# Altium PCB PCB2.PcbDoc (part 1 of 2)
Units mm, origin at the board's own origin, x right, y up, seen from the top; angles counter-clockwise.
Board outline 42.3 x 42.3 mm, 2 copper layers (Top Layer, Bottom Layer); 115 components, 83 nets, 434 pads, 142 vias.
Unrouted connection lines stored in the file: 85.
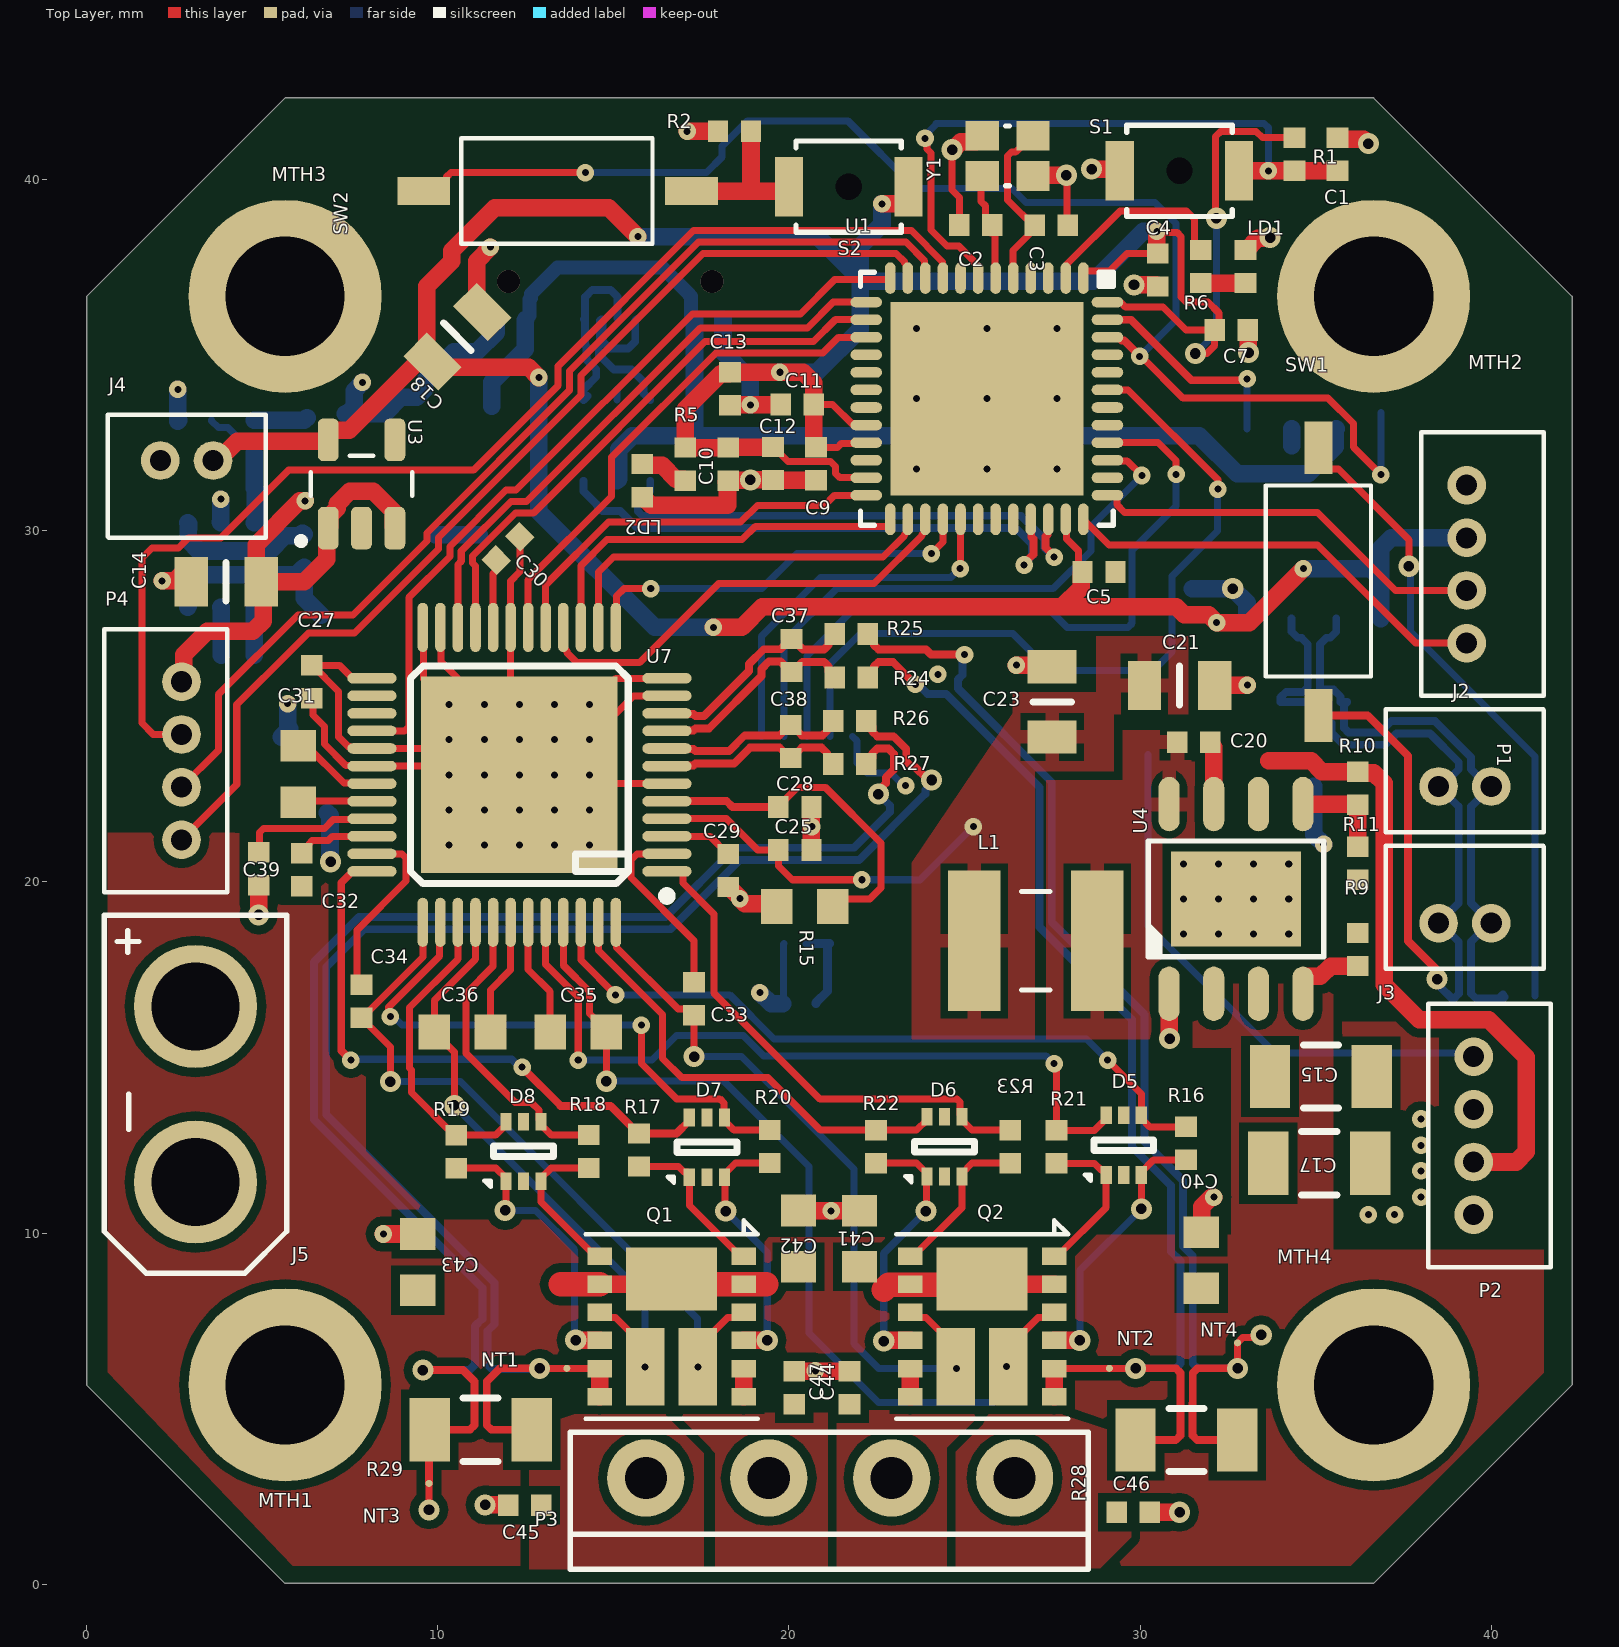
[diagram p0: Top Layer view]
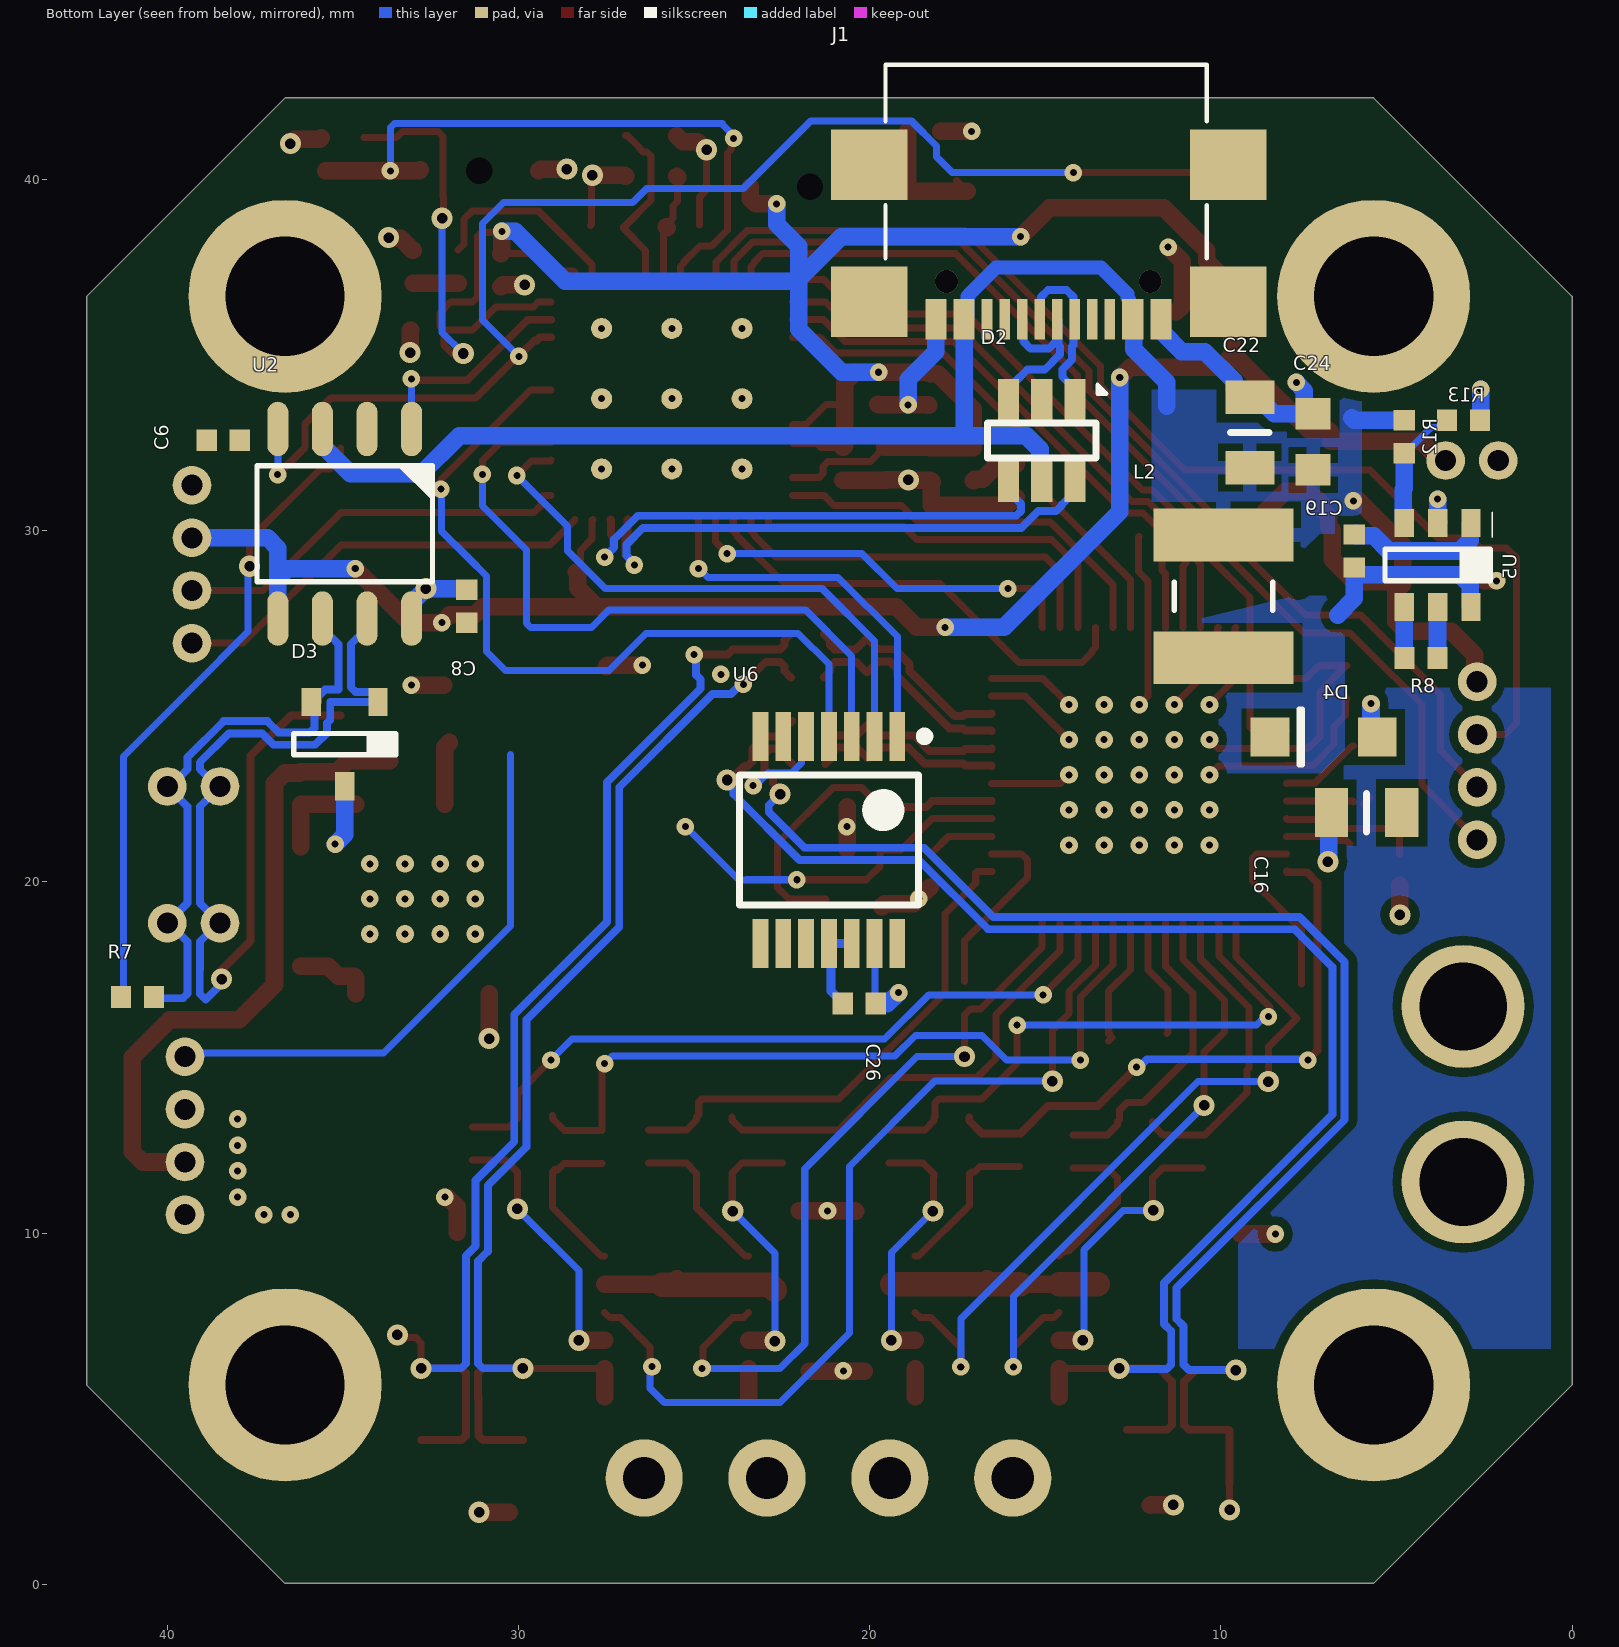
[diagram p1: Bottom Layer view, seen from below]
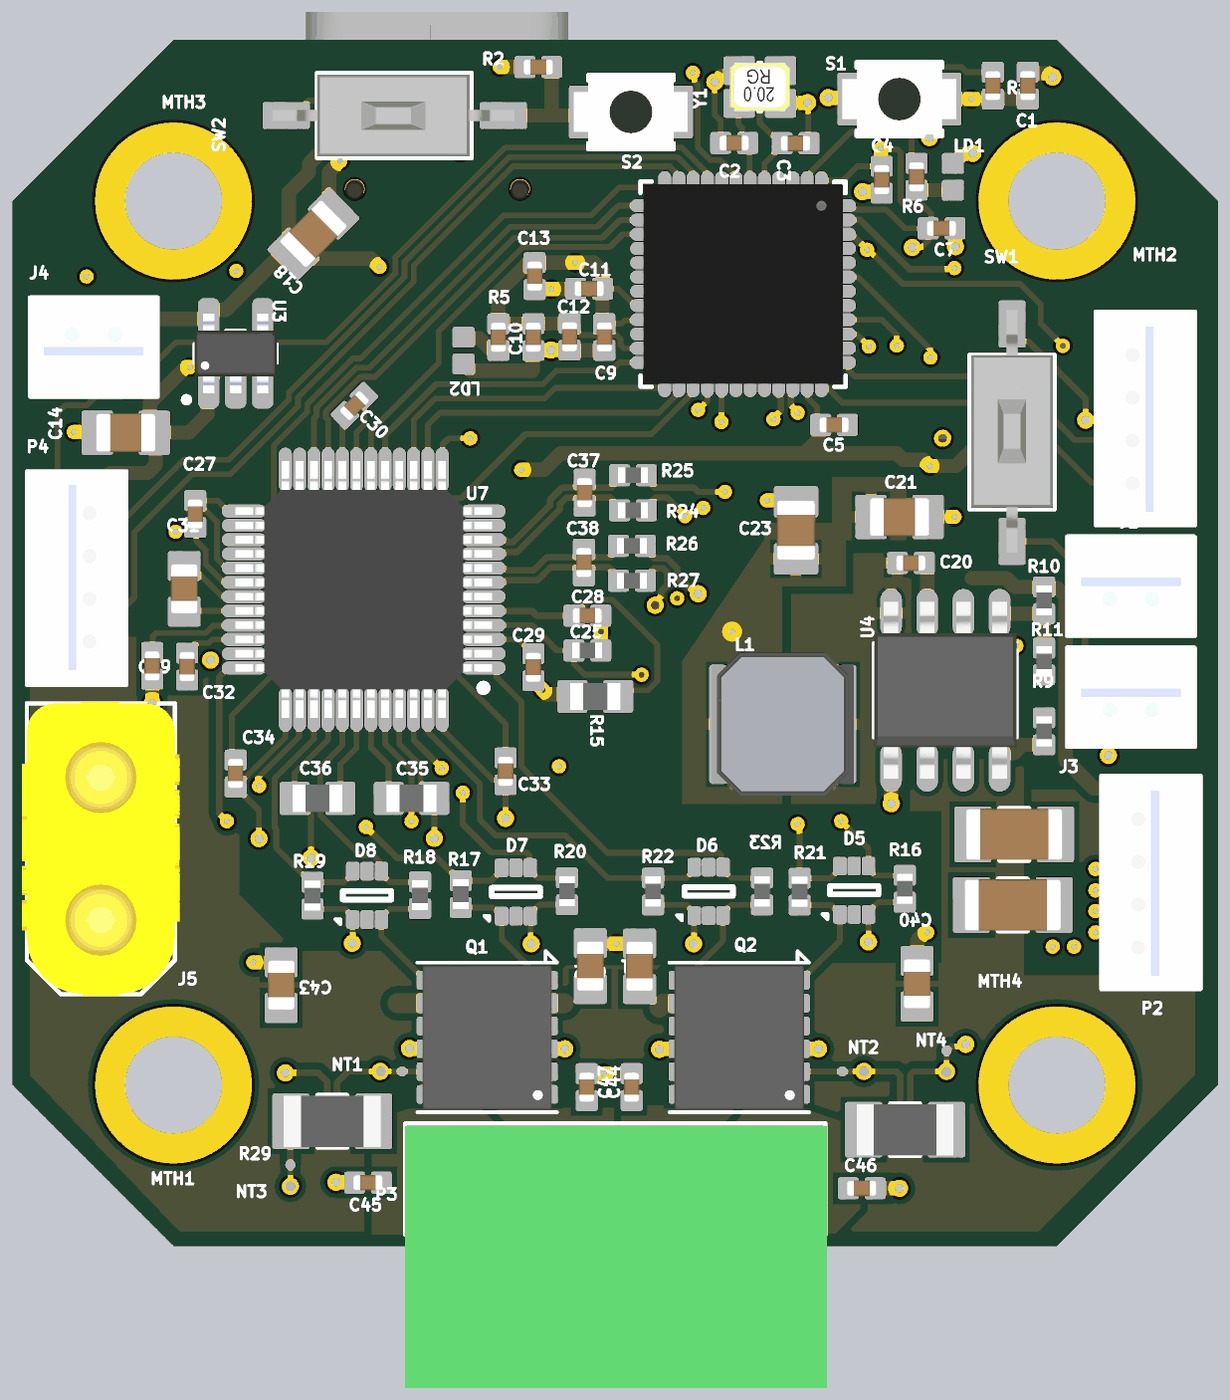
[diagram p3: 3D render of the assembled board from above, using the file's embedded part models]
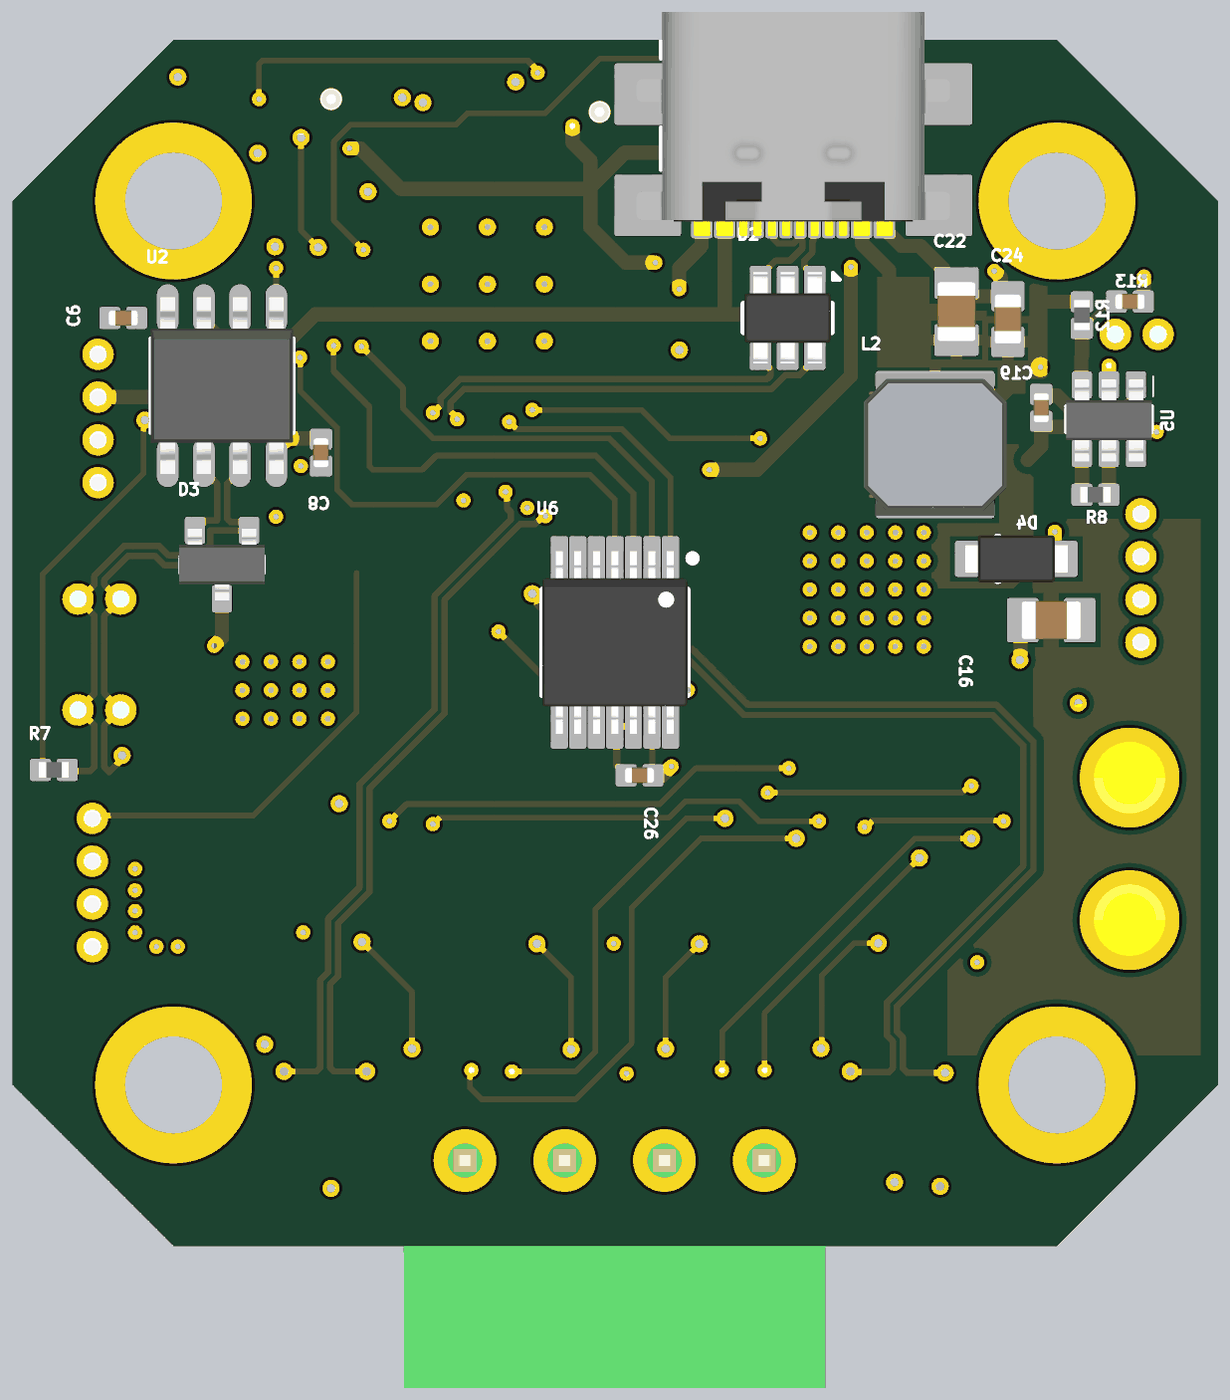
[diagram p4: 3D render of the assembled board from below, using the file's embedded part models]

## Layer stack, top to bottom
Top Solder: solder mask 0.0102, Solder Resist, Dk 3.5
Top Layer: signal copper 0.0356
Dielectric 1: dielectric 0.32, FR-4, Dk 4.8
Bottom Layer: signal copper 0.0356
Bottom Solder: solder mask 0.0102, Solder Resist, Dk 3.5

## Board outline
0,5.675 5.65,0.025 36.65,0.025 42.3,5.675 42.3,36.675 36.65,42.325 5.65,42.325 0,36.675

## Design rules (kind name [scope] priority, off if disabled: settings)
AssemblyTestpoint [All] p1: testpointundercomponent=FALSE minsize=1.016 maxsize=2.54 preferedsize=1.524 minholesize=0 maxholesize=1.016 preferedholesize=0.813 testpointgrid=0.025 usegrid=TRUE gridtolerance=0 allowsidetop=TRUE allowsidebottom=TRUE
BoardOutlineClearance [All] p1: gap=0.2 ignorepadtopadclearanceinfootprint=FALSE
Clearance CAN_module [All] p1: gap=0.25 ignorepadtopadclearanceinfootprint=FALSE except(0.125: Arc-Arc Arc-Track Track-Track; 0.15: Arc-SMDPad Track-SMDPad; 0.17: SMDPad-SMDPad; 0.2: Arc-Via Arc-Text Arc-Hole Track-Via Track-Text Track-Hole SMDPad-THPad SMDPad-Via SMDPad-Text SMDPad-Hole THPad-Via THPad-Text THPad-Hole Via-Via Via-Text Via-Hole Fill-Text Fill-Hole Poly-Text Poly-Hole Region-Text Region-Hole Text-Text Text-Hole; 0.4: THPad-THPad)
DiffPairsRouting [All] p1: maxlimit=0.125 minlimit=0.125 mostfreqgap=0.125 toplayer_minwidth=0.225 toplayer_maxwidth=0.225 toplayer_prefwidth=0.225 bottomlayer_minwidth=0.225 bottomlayer_maxwidth=0.225 bottomlayer_prefwidth=0.225 impedanceprofiledriven=TRUE impedanceprofileid={0BC9F1DC-8ADB-46CF-9AA2-943D62781B6E} maxuncoupledlength=12.7
FabricationTestpoint [All] p1: side=3 testpointundercomponent=FALSE minsize=1.016 maxsize=2.54 preferedsize=1.524 minholesize=0 maxholesize=1.016 preferedholesize=0.813 testpointgrid=0.025 allowsidetop=TRUE allowsidebottom=TRUE usegrid=TRUE gridtolerance=0 boardedgeclearance=0.4 padholecenterclearance=0.3 viaholecenterclearance=0.3
HoleSize [All] p1: absolutevalues=TRUE maxlimit=6.5 minlimit=0.3 maxpercent=80.000 minpercent=20.000
HoleToHoleClearance [All] p1: gap=0.32 allowstackedmicrovias=TRUE
MinimumAnnularRing [All] p1: minimumring=0.09
MinimumSolderMaskSliver [All] p1: minsoldermaskwidth=0.09
PasteMaskExpansion [All] p1: expansion=0.08
PlaneClearance [All] p1: clearance=0.5
PlaneConnect [All] p1: planeconnectstyle=Relief reliefexpansion=0.508 reliefentries=4 reliefconductorwidth=0.4 reliefairgap=0.2
PolygonConnect PolygonConnect_1 [All] p1: thpad.connectstyle=Relief thpad.reliefconductorwidth=0.4 thpad.reliefentries=4 thpad.polygonreliefangle="90 Angle" thpad.airgapwidth=0.2 smdpad.connectstyle=Relief smdpad.reliefconductorwidth=0.4 smdpad.reliefentries=4 smdpad.polygonreliefangle="90 Angle" smdpad.airgapwidth=0.2 via.connectstyle=Direct via.reliefconductorwidth=0.254 via.reliefentries=4 via.polygonreliefangle="90 Angle" via.airgapwidth=0.254
RoutingVias [All] p1: holewidth=0.3 width=0.6 viastyle="Through Hole" minholewidth=0.2 minwidth=0.5 maxholewidth=0.6 maxwidth=1
SilkToSilkClearance [All] p1: silktosilkclearance=0.2
SilkToSolderMaskClearance [IsPad] p1: minsilkscreentomaskgap=0.15 clearancetoexposedcopper=TRUE
SolderMaskExpansion [All] p1: expansion=0.1 istentingtop=FALSE
Width [All] p1: maxlimit=0.7 minlimit=0.2 preferedwidth=0.5
19 further rules are at their usual default settings.

## Classes and differential pairs
component class Logic.~(138): C1 C2 C3 C4 C5 C6 C7 C8 C9 C10 C11 C12 C13 D2 D3 J1 J2 J3 J4 LD1 LD2 MTH1 MTH2 MTH3 MTH4 P1 P4 R1 R2 R5 R6 R7 S1 S2 SW1 SW2 U1 U2 Y1
component class Power_Supply: C14 C15 C16 C17 C18 C19 C20 C21 C22 C23 C24 D4 J5 L1 L2 P2 R8 R9 R10 R11 R12 R13 U3 U4 U5
component class Driver: C25 C26 C27 C28 C29 C30 C31 C32 C33 C34 C35 C36 C37 C38 C39 C40 C41 C42 C43 C44 C45 C46 C47 D5 D6 D7 D8 NT1 NT2 NT3 NT4 P3 Q1 Q2 R15 R16 R17 R18 R19 R20 R21 R22 R23 R24 R25 R26 R27 R28 R29 U6 U7
differential pair SRBH: +SRBH_P -SRBH_N
differential pair SRAH: +SRAH_P -SRAH_N
differential pair D: +D_P -D_N
differential pair CAN: +CAN_P -CAN_N

## Components (designator, comment, footprint, x,y, rotation, side; value= is the part's Value field where it differs from the comment)
C1 "100nF 16V X7R ±10%" 0402 35.624,40.725 r270 top
C2 "4pF 50V C0G (NP0) ±0.25 pF" 0402 25.323,38.711 r180 top
C3 "4pF 50V C0G (NP0) ±0.25 pF" 0402 27.475,38.7 r0 top
C4 "100nF 16V X7R ±10%" 0402 30.5,37.425 r90 top
C5 "100nF 16V X7R ±10%" 0402 28.83,28.825 r180 top
C6 "100nF 16V X7R ±10%" 0402 38.414,32.575 r180 bottom
C7 "100nF 16V X7R ±10%" 0402 32.6,35.716 r180 top
C8 "100nF 16V X7R ±10%" 0402 31.475,27.85 r270 bottom
C9 "100nF 16V X7R ±10%" 0402 20.772,31.906 r90 top
C10 "1 µF 16V X5R ±10%" 0402 18.275,31.9 r270 top
C11 "100nF 16V X7R ±10%" 0402 20.236,33.6 r0 top
C12 "1 µF 16V X5R ±10%" 0402 19.547,31.916 r270 top
C13 "100nF 16V X7R ±10%" 0402 18.323,34.044 r90 top
C14 "10 µF 16V X5R ±10%" 0805 3.975,28.55 r180 top
C15 "4,7 µF 100V X5R ±10%" 1206 35.15,14.463 r0 top
C16 "1 µF 100V X5R ±10%" 0805 5.85,21.973 r0 bottom
C17 "100 nF 100V X5R ±10%" 1206 35.1,11.988 r0 top
C18 "10 µF 16V X5R ±10%" 0805 10.557,35.525 r45 top
C19 "100nF 16V X7R ±10%" 0402 6.2,29.425 r90 bottom
C20 "100nF 16V X7R ±10%" 0402 31.525,23.981 r0 top
C21 "10 µF 16V X5R ±10%" 0805 31.125,25.596 r0 top
C22 "10 µF 16V X5R ±10%" 0805 9.175,32.8 r90 bottom
C23 "10 µF 16V X5R ±10%" 0805 27.496,25.129 r90 top
C24 "22 µF 10V X5R ±10%" 0603 7.371,32.536 r90 bottom
C25 "100 nF 100V X5R ±10%" 0402 20.171,20.911 r0 top
C26 "100nF 16V X7R ±10%" 0402 20.298,16.536 r0 bottom
C27 "470nF 50V ±10%" 0402 6.41,25.7 r90 top
C28 "2.2μF 16V X5R 20%" 0402 20.171,22.135 r180 top
C29 "2.2μF 16V X5R 20%" 0402 18.275,20.325 r90 top
C30 "100nF 16V X7R ±10%" 0402 12,29.5 r225 top
C31 "22 nF 100V X7R ±10%" 0603 6.025,23.075 r270 top
C32 "100 nF 100V X5R ±10%" 0402 6.125,20.35 r270 top
C33 "220 nF 25 X7R ±10%" 0402 17.3,16.676 r270 top
C34 "220 nF 25 X7R ±10%" 0402 7.825,16.6 r270 top
C35 "220 nF 25 X7R ±10%" 0603 14,15.725 r0 top
C36 "220 nF 25 X7R ±10%" 0603 10.7,15.725 r180 top
C37 "2.2 nF 100V X7R ±10%" 0402 20.075,26.45 r270 top
C38 "2.2 nF 100V X7R ±10%" 0402 20.05,24 r90 top
C39 "100 nF 100V X5R ±10%" 0402 4.9,20.375 r270 top
C40 "220 nF 100V X7S ±10%" 0603 31.74,9.225 r90 top
C41 "220 nF 100V X7S ±10%" 0603 22.004,9.838 r270 top
C42 "220 nF 100V X7S ±10%" 0603 20.275,9.844 r270 top
C43 "220 nF 100V X7S ±10%" 0603 9.429,9.175 r270 top
C44 "1 nF 100V X7R ±10%" 0402 21.725,5.599 r270 top
C45 "1 nF 100V X7R ±10%" 0402 12.475,2.25 r0 top
C46 "1 nF 100V X7R ±10%" 0402 29.8,2.05 r180 top
C47 "1 nF 100V X7R ±10%" 0402 20.15,5.599 r270 top
D2 "3.3" SOT23-6L 15.1,32.575 r270 bottom
D3 "VRWM=24V, VBR(Min)=26.2 V, VC=44 V" SOT-23 34.95,23.925 r270 bottom value="VRWM=24V, VBR(Min)=26.2 V, VC=44 V"
D4 "STPS0560Z 60 V" SOD-123FL 7.075,24.127 r180 bottom
D5 "BAT40V" SOT563-6 29.536,12.504 r90 top
D6 "BAT40V" SOT563-6 24.428,12.462 r90 top
D7 "BAT40V" SOT563-6 17.665,12.443 r90 top
D8 "BAT40V" SOT563-6 12.44,12.325 r90 top
J1 "USBC-U262-16XN-4BSS73-T" U262-161N-4BSS73-T 14.9,38.225 r0 bottom
J2 "JST-1.5-2" "JST- 2 X - 1.5" 39.25,22.719 r0 top
J3 "JST-1.5-2" "JST- 2 X - 1.5" 39.25,18.825 r0 top
J4 "JST-1.5-2" "JST- 2 X - 1.5" 2.85,32 r180 top
J5 "XT30U" XT30U-M 3.1,13.954 r90 top
L1 "22uH 1.5 A ±20%" SRN5040 27.029,18.325 r180 top
L2 "22uH 1.5 A ±20%" SRN5040 9.925,28.132 r90 bottom
LD1 "SZYY0402G (Green) /" "0402 GREEN FLAT" 33,37.525 r90 top
LD2 "SML-P11UTT86R (Red) /" "0402 RED FLAT" 15.826,31.43 r270 top
MTH1 "MTH_M3" MTH 5.65,5.675 r0 top locked
MTH2 "MTH_M3" MTH 36.65,36.675 r0 top locked
MTH3 "MTH_M3" MTH 5.65,36.675 r0 top
MTH4 "MTH_M3" MTH 36.65,5.675 r0 top